# Altium PCB IMX6 DEV BOARD.PcbDoc (part 8 of 12)
Units mm, origin at the board's own origin, x right, y up, seen from the top; angles counter-clockwise.
Board outline 72.05 x 100.23 mm, 8 copper layers (Top Layer, GND 1, Inner 2, PWR 1, PWR 2, Inner 5, GND2, Bottom Layer), stack 1.463 mm thick; 691 components, 568 nets, 3028 pads, 1624 vias.
Unrouted connection lines stored in the file: 1.
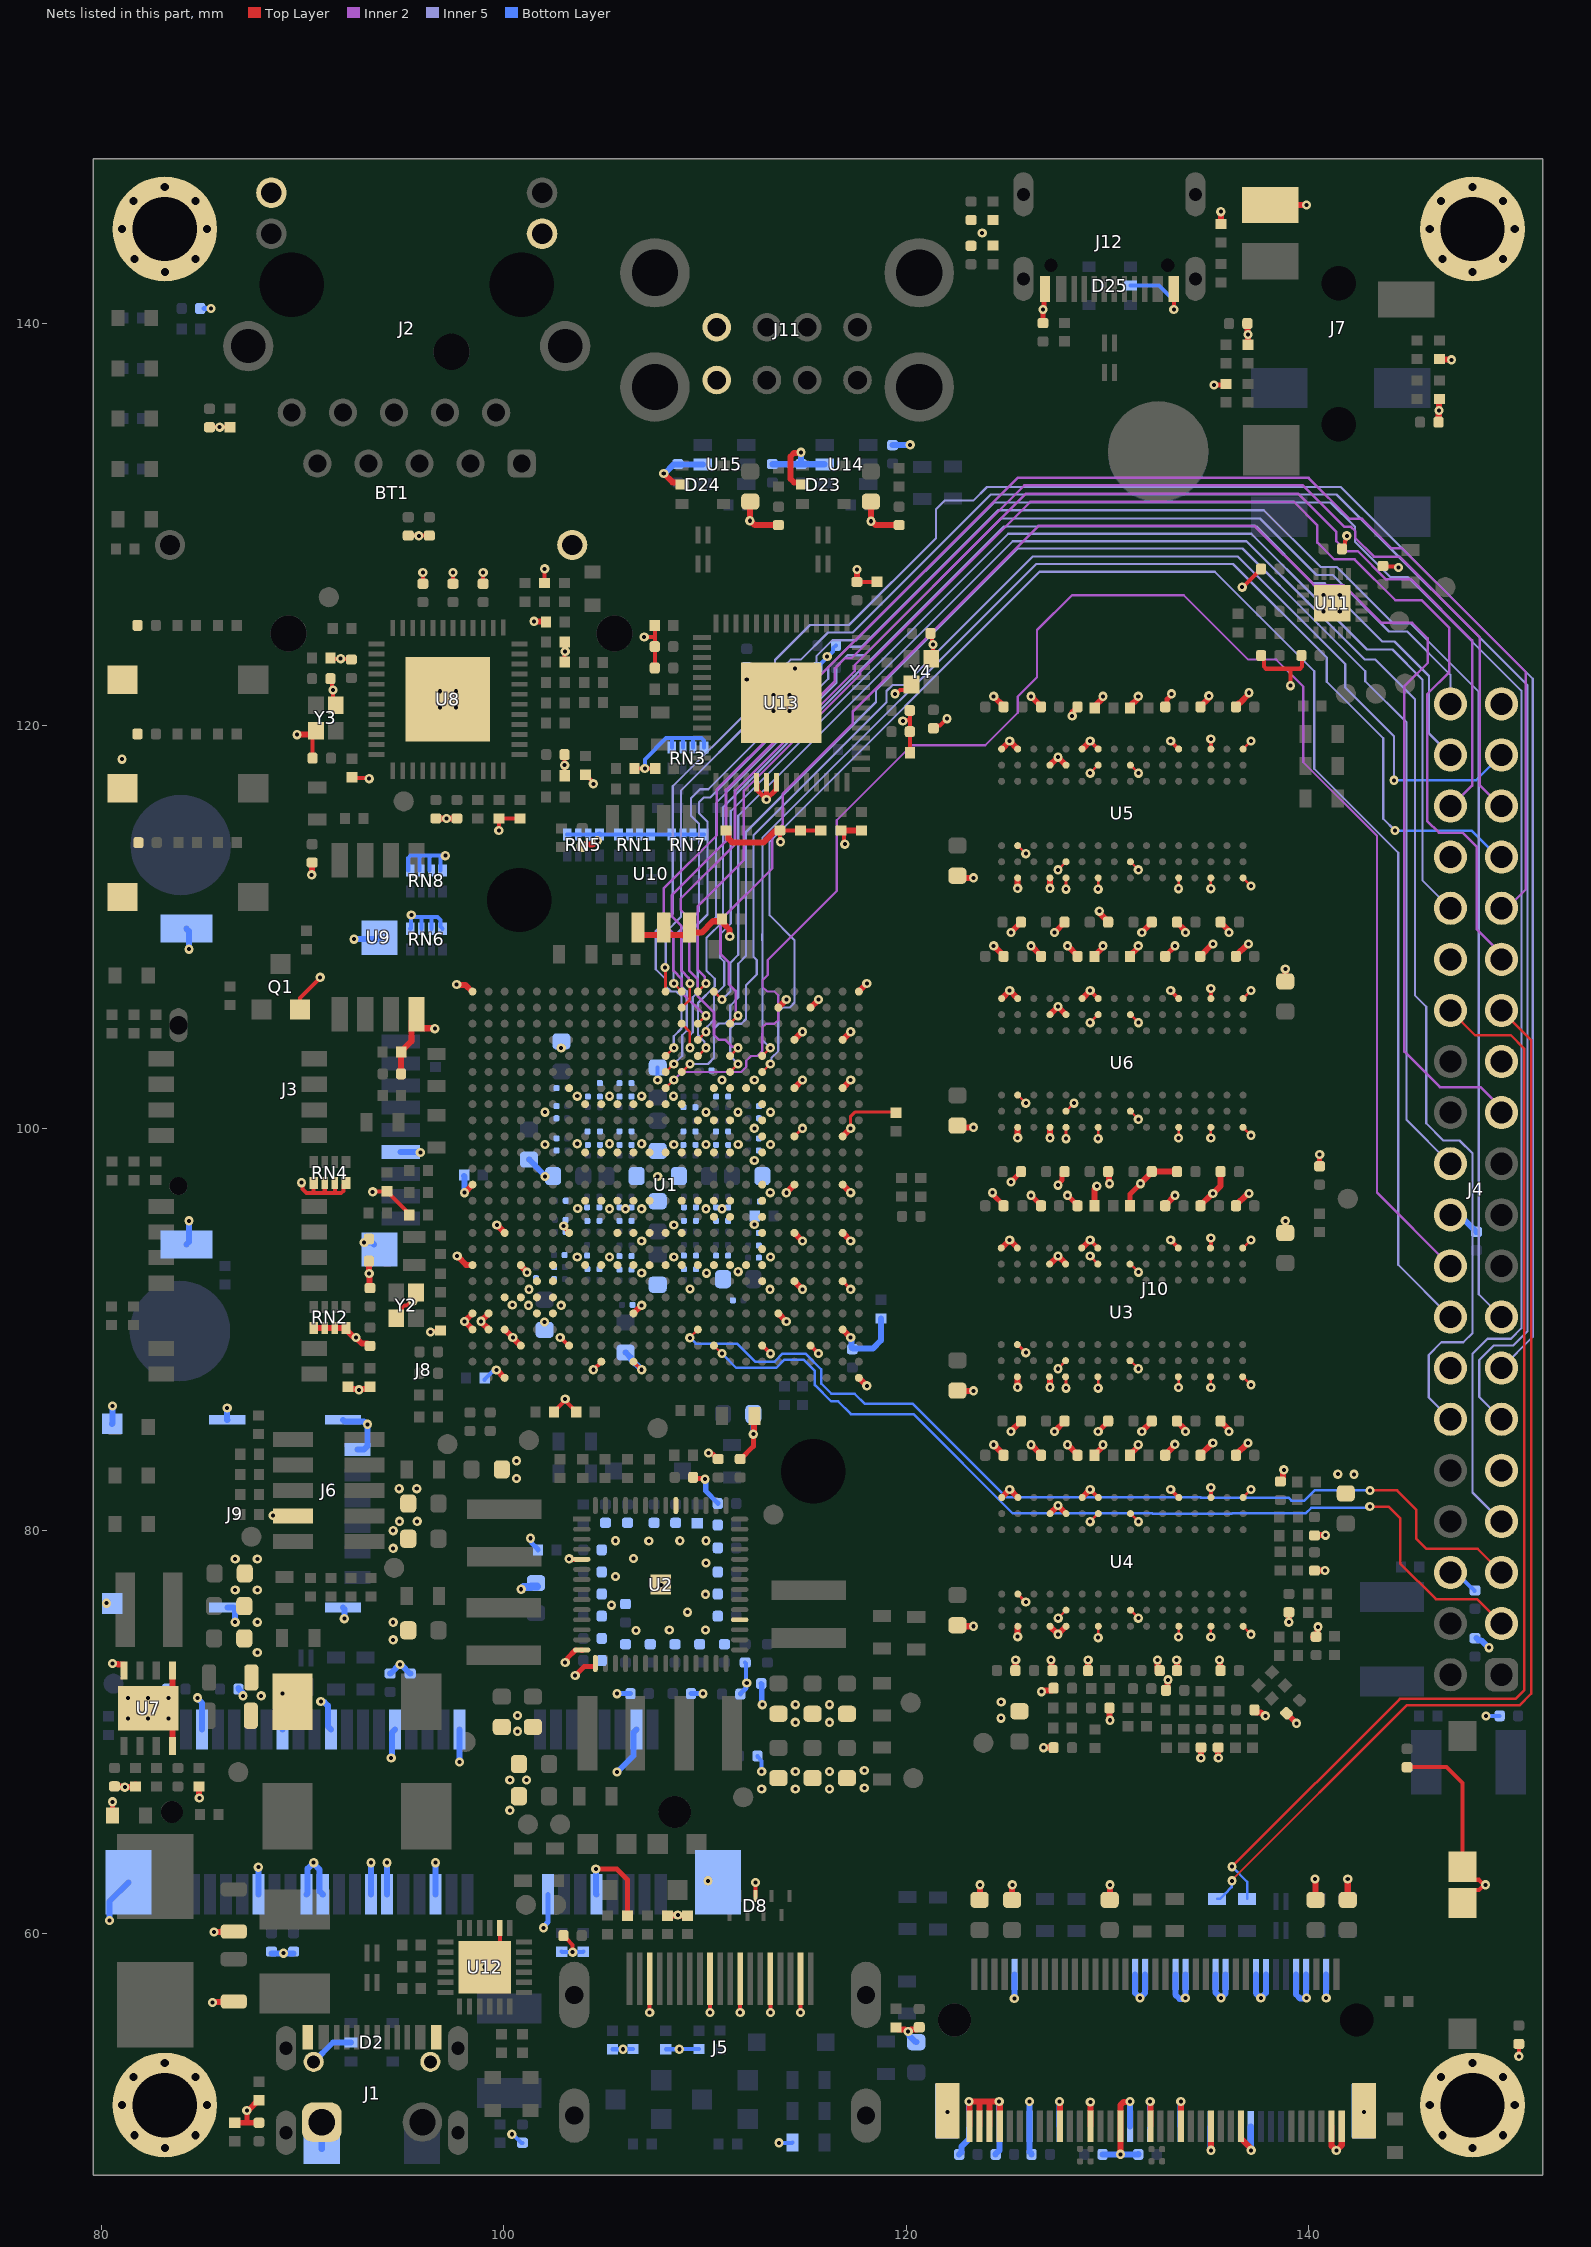
[diagram p14: the nets of this part, all layers, seen from the top]

## Via types
v1: diameter 0.46, hole 0.2, Top Layer to Bottom Layer, tented both sides, 1586 vias
v2: diameter 0.7, hole 0.4, Top Layer to Bottom Layer, 32 vias
v3: diameter 0.46, hole 0.2, Top Layer to Bottom Layer, tented bottom, 6 vias

## Nets (pads, with @x,y where several pads share a name; then routed paths per layer and width w, separated by ;. In a path a pad name is that pad's centre, name@x,y a point inside that pad or via, vN(x,y) a via of type N, cw(c..) or ccw(c..) an arc to the next point about the centre after c; other vN are vias at no path point) (continued)
GND: BT1.2 C1.2 C2.2 C3.2 C4.2 C5.2 C6.2 C7.2 C8.2 C9.2 C10.2 C11.2 C12.2 C13.2 C14.2 C15.2 C16.2 C17.2 C18.2 C19.2 C20.2 C21.2 C22.2 C23.2 C24.2 C25.2 C26.2 C27.2 C28.2 C29.2 C30.2 C31.2 C32.2 C33.2 C34.2 C35.2 C36.2 C37.2 C38.2 C39.2 C40.2 C41.2 C42.2 C43.2 C44.2 C45.2 C46.2 C47.2 C48.2 C49.2 C50.2 C51.2 C52.2 C53.2 C54.2 C55.2 C56.2 C57.2 C58.2 C59.2 C60.2 C61.2 C62.2 C63.2 C64.2 C65.2 C66.2 C67.2 C68.2 C69.2 C70.2 C71.2 C72.2 C73.2 C74.2 C75.2 C76.2 C77.2 C78.2 C79.2 C80.2 C81.2 C82.2 C83.2 C84.2 C85.2 C86.2 C87.2 C88.2 C89.2 C90.2 C91.2 C92.2 C93.2 C94.2 C95.2 C96.2 C97.2 C98.2 C99.2 C100.2 C101.2 C102.2 C103.2 C104.2 C105.2 C106.2 C107.2 C108.2 C109.2 C110.2 C111.2 C112.2 C113.2 C114.2 C115.2 C116.2 C117.2 C118.2 C119.2 C120.2 C121.2 C122.2 C123.2 C124.2 C125.2 C126.2 C127.2 C128.2 C129.2 C130.2 C131.2 C132.2 C133.2 C134.2 C135.2 C136.2 C137.2 C138.2 C139.2 C140.2 C141.2 C142.2 C143.2 C144.2 C145.2 C146.2 C147.2 C148.2 C150.2 C151.2 C152.2 C153.2 C154.2 C155.2 C156.2 C157.2 C158.2 C159.2 C160.2 C161.2 C162.2 C163.2 C164.2 C165.2 C166.2 C167.2 C168.2 C169.2 C170.2 C171.2 C172.2 C173.2 C174.2 C175.2 C177.2 C178.2 C179.2 C181.2 C182.2 C183.2 C184.2 C185.2 C186.2 C187.2 C188.2 C189.2 C190.2 C191.2 C192.2 C193.2 C194.2 C195.2 C196.2 C197.2 C198.2 C199.2 C200.2 C201.2 C202.2 C203.2 C204.2 C205.2 C206.2 C207.2 C208.2 C212.1 C213.2 C214.2 C215.2 C216.1 C217.1 C218.1 C223.2 C225.2 C226.2 C227.2 C228.2 C229.2 C230.2 C231.2 C236.2 C237.2 C238.2 C239.2 C240.2 C241.2 C242.2 C243.2 C244.2 C245.2 C246.2 C247.2 C248.2 C249.2 C250.2 C251.2 C252.2 C253.2 C254.2 C255.2 C256.2 C257.2 C258.2 C259.2 C260.2 C261.2 C262.2 C263.2 C264.2 C265.2 C266.2 C267.2 C268.2 C269.2 C270.2 C271.2 C272.2 C273.2 C274.2 C276.2 C277.2 C278.2 C279.2 C280.2 C281.2 C282.2 C283.2 C284.2 C285.2 C286.2 C287.2 C288.2 C289.2 C290.2 C291.2 C292.2 C293.2 C294.2 C295.2 C296.2 C297.2 C298.2 C299.2 C300.2 C301.2 C302.2 C303.2 C304.2 C305.2 C307.2 C308.2 C309.2 C310.2 C311.2 C312.2 C313.2 C314.2 C315.2 D2.2 D3.2 D4.1 D8.3 D9.2 D10.2 D11.2 D12.2 D13.2 D14.2 D15.2 D16.2 D23.2 D24.2 D25.2 HT1.1 J1.1 J1.12 J2.11 J2.14 J3.6 J3.10 J3.11 J3.12 J3.13 J4.6 J4.9 J4.14 J4.20 J4.25 J4.30 J4.34 J4.39 J5.2 J5.5 J5.8 J5.11 J5.17 J6.4 J7.1 J8.4 J8.9 J8.15 J8.18 J8.21 J8.26 J8.27 J8.29 J8.34 J8.35 J8.37 J8.40 J8.43 J8.50 J8.SH1 J8.SH2 J9.C5 J9.Shield J10.1 J10.1A J10.3 J10.7A J10.10A J10.13A J10.19A J10.21 J10.27 J10.33 J10.33A J10.34A J10.36A J10.37A J10.39 J10.42A J10.43A J10.44A J10.45 J10.49A J10.50A J10.51 J10.52A J10.57 J10.57A J10.58A J10.60A J10.66A J10.68A J10.69 J10.71 J10.72A J10.73 J10.75 J10.S1 J10.S2 J10.SHIELDA J11.A4 J11.B4 J12.1 J12.12 MT1.0 MT2.0 MT3.0 MT4.0 PB1.1 PB2.1 PB3.2 PB4.2 PB5.2 Q1.S R6.1 R9.1 R14.1 R27.1 R28.1 R29.1 R30.1 R31.1 R32.1 R33.1 R34.1 R35.1 R36.1 R37.1 R71.1 R72.1 R74.1 R83.1 R84.1 R88.1 R89.1 R90.1 R92.1 R93.1 R94.1 R95.1 R96.1 R97.1 R101.1 R102.1 R107.1 R114.1 R116.1 R117.1 R118.1 R119.1 R126.1 R131.1 R132.1 R133.1 R134.1 R137.1 R142.1 R147.1 R149.1 R151.1 R152.1 R153.1 R154.1 R157.1 R159.1 R160.1 R161.1 R162.1 R163.1 R191.1 R192.1 R193.1 R194.1 RN1.5 RN1.6 RN1.7 RN1.8 RN2.1 RN2.2 RN2.3 RN2.4 RN3.5 RN3.6 RN3.7 RN3.8 RN4.1 RN4.2 RN4.3 RN4.4 RN5.5 RN5.6 RN5.7 RN5.8 RN6.5 RN6.6 RN6.7 RN6.8 RN7.5 RN7.6 RN7.7 RN7.8 RN8.5 RN8.6 RN8.7 RN8.8 U1.A4 U1.A5 U1.A8 U1.A13 U1.A25 U1.AA7 U1.AA10 U1.AA13 U1.AA16 U1.AA19 U1.AA22 U1.AB3 U1.AB24 U1.AD4 U1.AD7 U1.AD10 U1.AD13 U1.AD16 U1.AD19 U1.AD22 U1.AE1 U1.AE25 U1.B4 U1.B5 U1.C1 U1.C4 U1.C6 U1.C10 U1.D3 U1.D6 U1.D8 U1.E5 U1.E6 U1.E7 U1.F5 U1.F6 U1.F7 U1.F8 U1.G3 U1.G10 U1.G19 U1.H8 U1.H12 U1.H15 U1.H18 U1.J2 U1.J8 U1.J12 U1.J15 U1.J18 U1.K8 U1.K10 U1.K12 U1.K15 U1.K18 U1.L2 U1.L5 U1.L8 U1.L10 U1.L12 U1.L15 U1.L18 U1.M8 U1.M10 U1.M12 U1.M15 U1.M18 U1.N8 U1.N10 U1.N15 U1.N18 U1.P8 U1.P10 U1.P12 U1.P15 U1.P18 U1.R8 U1.R12 U1.R15 U1.R17 U1.T8 U1.T11 U1.T12 U1.T15 U1.T17 U1.T19 U1.U8 U1.U11 U1.U12 U1.U15 U1.U17 U1.U19 U1.V8 U1.V19 U1.W3 U1.W7 U1.W8 U1.W9 U1.W10 U1.W11 U1.W12 U1.W13 U1.W15 U1.W16 U1.W17 U1.W18 U1.W19 U1.Y5 U1.Y24 U2.5 U2.14 U2.15 U2.32 U2.48 U2.57 U3.A9 U3.B1 U3.B3 U3.B9 U3.D1 U3.D8 U3.E1 U3.E2 U3.E8 U3.F9 U3.G1 U3.G8 U3.G9 U3.J2 U3.J8 U3.M1 U3.M9 U3.P1 U3.P9 U3.T1 U3.T9 U4.A9 U4.B1 U4.B3 U4.B9 U4.D1 U4.D8 U4.E1 U4.E2 U4.E8 U4.F9 U4.G1 U4.G8 U4.G9 U4.J2 U4.J8 U4.M1 U4.M9 U4.P1 U4.P9 U4.T1 U4.T9 U5.A9 U5.B1 U5.B3 U5.B9 U5.D1 U5.D8 U5.E1 U5.E2 U5.E8 U5.F9 U5.G1 U5.G8 U5.G9 U5.J2 U5.J8 U5.M1 U5.M9 U5.P1 U5.P9 U5.T1 U5.T9 U6.A9 U6.B1 U6.B3 U6.B9 U6.D1 U6.D8 U6.E1 U6.E2 U6.E8 U6.F9 U6.G1 U6.G8 U6.G9 U6.J2 U6.J8 U6.M1 U6.M9 U6.P1 U6.P9 U6.T1 U6.T9 U7.4 U7.5 U7.8 U7.9 U8.49 U9.4 U10.2 U10.3 U10.4 U11.21 U12.2 U12.25 U13.33 U13.34 U13.35 U13.57 U14.2 U15.2 Y2.2 Y2.4 Y3.2 Y3.4 Y4.2 Y4.4 | length 434
  Top Layer w0.125: v1(104.45,88) v1@104.45,88.003 ; U1.J2@104.844,88.397 U1.J2@104.844,88.4 ; U1.L2@106.444,88.397 U1.L2@106.444,88.4 ; U6.B3@125.544,101.65 v1(125.944,101.25) ; U5.B3@125.544,114.05 v1(125.944,113.65) ; v1(127.544,88.05) U3.E2@127.944,88.45 ; v1(127.544,112.85) U5.E2@127.944,113.25 ; v1(127.556,75.65) U4.E2@127.956,76.05 ; v1(127.944,87.084) U3.E1@127.944,87.65 ; v1(127.944,99.484) U6.E1@127.944,100.05 ; U6.E2@127.944,100.85 v1(128.344,101.25) ; v1(127.944,111.884) U5.E1@127.944,112.45 ; v1(129.144,80.45) U4.G8@129.544,80.85 ; v1(129.144,93.65) U3.G8@129.544,93.25 ; v1(129.144,105.25) U6.G8@129.544,105.65 ; v1(129.144,117.65) U5.G8@129.544,118.05 ; v1(129.544,74.684) U4.G1@129.544,75.25 ; v1(129.544,87.084) U3.G1@129.544,87.65 ; v1(129.544,99.484) U6.G1@129.544,100.05 ; v1(129.544,111.884) U5.G1@129.544,112.45 ; U4.J2@131.144,76.05 131.144,76.048 131.541,75.652 v1(131.541,75.65) ; U4.J8@131.144,80.85 v1(131.544,80.45) ; U3.J2@131.144,88.45 131.144,88.448 131.541,88.052 v1(131.541,88.05) ; U3.J8@131.144,93.25 v1(131.544,92.85) ; U6.J2@131.144,100.85 131.144,100.848 131.541,100.452 v1(131.541,100.45) ; U6.J8@131.144,105.65 v1(131.544,105.25) ; U5.J2@131.144,113.25 131.144,113.248 131.541,112.852 v1(131.541,112.85) ; U5.J8@131.144,118.05 v1(131.544,117.65) ; v1(133.536,74.714) 133.54,74.718 133.54,75.246 U4.M1@133.543,75.249 ; v1(133.536,87.114) 133.54,87.118 133.54,87.646 U3.M1@133.543,87.649 ; v1(133.536,99.514) 133.54,99.518 U6.M1@133.54,100.046 ; v1(133.536,111.914) 133.54,111.918 133.54,112.446 U5.M1@133.543,112.449 ; v1(135.14,74.714) 135.143,74.717 135.143,75.249 U4.P1@135.145,75.251 ; v1(135.14,87.114) 135.143,87.117 135.143,87.649 U3.P1@135.145,87.651 ; v1(135.14,99.514) 135.143,99.517 U6.P1@135.143,100.049 ; v1(135.14,111.914) 135.143,111.917 135.143,112.449 U5.P1@135.145,112.451 ; U4.T1@136.744,75.25 v1(137.144,74.85) ; U4.T9@136.744,81.65 v1(137.144,82.05) ; U3.T1@136.744,87.65 v1(137.144,87.25) ; U3.T9@136.744,94.05 v1(137.144,94.45) ; U6.T1@136.744,100.05 v1(137.144,99.65) ; U6.T9@136.744,106.45 v1(137.144,106.85) ; U5.T1@136.744,112.45 v1(137.144,112.05) ; U5.T9@136.744,118.85 v1(137.144,119.25)
  Top Layer w0.15: U1.AA16@114.444,99.6 v1(114.844,100) ; U1.AD7@116.844,92.4 v1(117.244,92) ; v1(117.244,100) 117.244,100.6 117.444,100.8 119.466,100.8 R35.1@119.488,100.778 ; U4.B3@125.544,76.85 v1(125.944,76.45) ; U3.B3@125.544,89.25 v1(125.944,88.85) ; U6.M1@133.54,100.046 U6.M1@133.543,100.049 ; U6.P1@135.143,100.049 U6.P1@135.145,100.051
  Top Layer w0.2: C189.2@85.375,134.85 v1(85.875,134.85) R83.1@86.4,134.85 ; Q1.S@89.875,105.9 89.875,106.475 90.874,107.474 v1(90.874,107.505) ; v1(89.95,97.3) 89.989,97.261 89.989,96.989 90.204,96.774 90.55,96.774 ; C190.2@90.493,118.4 90.493,119.567 90.493,119.593 Y3.4@90.663,119.763 Y3.4@90.663,119.567 ; RN4.1@90.55,97.28 90.55,96.774 ; RN4.2@91.1,97.28 91.1,96.774 ; C191.2@91.382,122.35 91.456,122.276 91.456,121.832 v1(91.506,121.782) 91.506,121.169 Y3.2@91.638,121.038 ; R94.1@91.388,123.375 91.426,123.337 92.387,123.337 C196.2@92.425,123.3 ; RN4.3@91.6,97.28 91.6,96.774 ; RN4.4@92.15,97.28 92.03,97.16 92.03,96.886 91.918,96.774 91.6,96.774 ; R88.1@92.45,117.45 92.484,117.416 93.272,117.416 v1(93.306,117.382) ; v1(93.48,96.843) 93.497,96.859 94.016,96.859 94.108,96.767 94.32,96.767 94.366,96.721 94.366,96.695 95.146,95.915 95.146,95.854 R193.1@95.3,95.7 ; Y2.2@94.663,90.562 94.95,90.85 94.95,91.083 95.067,91.2 95.191,91.2 95.399,91.408 v1(95.469,91.408) ; C188.2@95.25,129.461 95.255,129.455 95.77,129.455 v1(95.775,129.45) 95.78,129.455 96.295,129.455 C187.2@96.3,129.461 ; C197.2@95.975,127.069 v1(95.975,127.625) ; v1(96.35,89.88) 96.385,89.915 96.815,89.915 R14.1@96.85,89.95 ; C192.2@97.475,127.069 v1(97.475,127.625) ; C198.2@98.975,127.069 v1(98.975,127.625) ; v1(99.05,58.325) 99.8,59.075 U12.2@99.8,60.25 ; v1(99.75,114.8) 99.754,114.804 99.754,115.396 R92.1@99.757,115.4 R90.1@100.8,115.4 ; R95.1@102.025,127.1 102.028,127.103 102.028,127.809 v1(102.032,127.812) ; R126.1@102.5,85.9 102.5,85.921 103,86.421 103,86.5 v1(103.05,86.55) 103.1,86.5 103.1,86.421 103.6,85.921 R116.1@103.6,85.9 ; v1(102.8,89.6) 102.822,89.6 103.225,89.197 U1.G3@103.244,89.197 ; C207.2@102.961,59.875 102.961,59.869 103.129,59.7 103.136,59.7 103.425,59.411 v1(103.425,59.05) ; v1(102.973,95.144) 102.973,95.107 103.244,94.837 U1.G10@103.244,94.8 ; C193.2@103.019,118.575 103.022,118.572 103.022,118.053 v1(103.025,118.05) R93.1@103.025,117.525 ; R97.1@103.025,123.171 R96.1@103.025,124.178 ; BT1.2@103.3,129 BT1.2@103.4,129 ; R89.1@104.05,117.575 104.071,117.575 104.4,117.246 104.4,117.175 v1(104.45,117.125) ; v1@104.45,88.003 U1.J2@104.844,88.397 ; U1.L2@106.444,88.397 106.45,88.397 106.847,88 v1(106.85,88) ; R101.1@106.5,117.875 106.506,117.881 107.006,117.881 v1(107.011,117.886) ; v1(106.975,124.425) 107.453,124.425 107.503,124.475 ; v1@107.023,117.875 107.028,117.881 107.519,117.881 R161.1@107.525,117.875 ; v1(107.25,56.05) J5.17@107.25,57.725 ; R162.1@107.5,125 107.503,124.997 107.503,124.475 ; C254.2@107.506,122.882 107.503,122.885 107.503,124.475 ; v1(110.25,56.05) J5.11@110.25,57.725 ; v1(111.75,56.05) J5.8@111.75,57.725 ; D8.3@112.508,61.839 v1(112.508,62.514) ; U1.W3@112.844,89.2 112.847,89.2 113.247,88.8 v1(113.25,88.8) ; v1(113.25,56.05) J5.5@113.25,57.725 ; C250.2@113.725,114.806 C250.2@113.728,114.803 ; v1(113.75,114.243) 113.738,114.256 113.738,114.793 C250.2@113.728,114.803 ; v1(114.75,56.05) J5.2@114.75,57.725 ; U1.AB3@115.25,89.193 v1@115.636,88.808 ; R152.1@115.752,114.8 115.749,114.803 C250.2@113.728,114.803 ; R153.1@116.764,114.8 116.9,114.663 116.9,114.175 v1(116.95,114.125) ; C251.2@117.55,127.157 117.553,127.16 118.547,127.16 R159.1@118.55,127.163 ; v1(119.448,121.595) 119.519,121.595 119.7,121.776 119.976,121.776 Y4.2@120.263,122.062 ; v1(119.832,120.242) 119.882,120.292 120.173,120.292 120.181,120.3 ; C258.2@120.181,120.776 120.181,120.3 ; R163.1@120.186,118.669 120.183,118.672 120.183,119.712 C253.2@120.181,119.714 120.181,120.3 ; C262.2@121.207,124.6 121.281,124.526 121.281,124.104 v1(121.331,124.055) 121.331,123.431 Y4.4@121.237,123.337 ; C261.2@121.35,119.886 121.486,120.022 121.69,120.022 v1(122.03,120.362) ; v1(129.144,82.05) U4.G9@129.544,81.65 ; v1(133.149,82.05) 133.149,82.047 133.544,81.653 U4.M9@133.544,81.65 ; v1(133.149,94.45) 133.149,94.447 133.544,94.053 U3.M9@133.544,94.05 ; v1(133.149,106.85) 133.149,106.847 133.544,106.453 U6.M9@133.544,106.45 ; v1(133.149,119.25) 133.149,119.247 133.544,118.853 U5.M9@133.544,118.85 ; v1(133.3,140.7) J12.1@133.3,141.725 ; U4.P9@135.144,81.65 v1(135.144,82.15) ; U3.P9@135.144,94.05 v1(135.144,94.55) ; U6.P9@135.144,106.45 v1(135.144,106.95) ; U5.P9@135.144,118.85 v1(135.144,119.35) ; v1(136.7,126.9) 136.749,126.9 137.643,127.794 C215.2@137.643,127.8 C215.2@137.677,127.766 ; C212.1@137.643,123.5 137.775,123.368 137.775,122.96 137.892,122.843 139.1,122.843 139.566,122.843 139.683,122.96 139.683,123.46 C217.1@139.643,123.5 ; v1(139.099,122) 139.099,122.842 ; C218.1@141.657,128.7 141.795,128.837 141.795,128.987 141.8,128.992 141.8,129.203 141.85,129.253 141.85,129.4 v1(141.9,129.45) ; C216.1@143.7,127.957 143.741,127.916 144.434,127.916 v1(144.475,127.875) ; C11.2@144.9,68.243 146.857,68.243 147.65,67.45 PB2.1@147.65,63.3 ; PB2.1@147.6,63.25 148.2,62.65 148.48,62.65 v1@148.73,62.4 ; PB1.1@147.65,61.5 147.65,61.55 148.25,62.15 148.48,62.15 v1@148.73,62.4 ; v1(148.8,62.4) v1@148.73,62.4 ; v1(150.45,53.875) C7.2@150.45,54.493 ; 90.55,96.774 91.1,96.774 ; 91.1,96.774 91.6,96.774 ; v1(129.144,94.45) 129.544,94.05 v1(129.144,94.45) ; v1(129.144,106.85) U6.G9@129.544,106.45 v1(129.144,106.85) ; v1(129.144,119.25) U5.G9@129.544,118.85 v1(129.144,119.25)
  Top Layer w0.25: D4.1@80.55,65.85 v1(80.55,66.525) ; R74.1@86.625,50.575 86.628,50.572 87.225,50.572 ; v1(87.225,51.175) 87.225,51.083 87.23,51.078 87.23,50.577 87.225,50.572 ; C186.2@87.825,50.569 87.822,50.572 87.225,50.572 ; v1(103.05,73.45) 103.05,73.507 103.155,73.612 103.155,73.655 103.565,74.065 103.565,74.067 U2.14@103.569,74.071 ; v1(103.25,78.6) 103.271,78.579 103.871,78.579 U2.5@103.874,78.575 ; v1(103.55,72.8) 103.989,73.239 U2.15@104.546,73.239 ; U2.14@103.85,74.05 103.899,74.05 U2.14@103.874,74.075 ; U2.15@104.55,73.399 U2.15@104.55,73.55 ; v1(104.575,63.182) 105.618,63.182 106.147,62.653 D9.2@106.147,60.864 ; C3.2@109.407,82.65 109.454,82.603 109.958,82.603 v1(109.998,82.563) ; v1(110.177,83.864) 110.217,83.824 110.369,83.824 110.628,83.564 C314.2@110.65,83.564 ; C315.2@111.75,83.564 111.772,83.564 112.4,84.192 v1(112.4,84.8) ; U13.33@112.55,117.2 112.575,117.175 112.575,116.825 v1(113.05,116.35) ; U13.34@113.05,117.2 v1(113.05,116.35) ; U13.35@113.55,117.2 113.525,117.175 113.525,116.825 v1(113.05,116.35) ; v1(124.294,96.8) 124.332,96.762 124.332,96.683 124.844,96.171 C157.2@124.844,96.15 ; v1(125.207,97.328) 125.207,97.333 125.701,97.828 C145.2@125.701,97.85 ; v1(126.207,96.672) 126.207,96.667 126.701,96.172 C156.2@126.701,96.15 ; C256.2@126.8,140.025 v1(126.8,140.7) 126.84,140.74 126.84,141.715 J12.12@126.9,141.775 ; v1(127.548,97.173) 127.548,97.227 127.742,97.421 127.742,97.722 C144.2@127.87,97.85 ; v1(128.021,96.672) 128.021,96.667 128.515,96.172 C158.2@128.515,96.15 ; v1(129.544,84.928) 129.544,84.933 130.038,85.428 C106.2@130.038,85.45 ; R27.1@131.123,96.15 131.123,96.723 v1(131.65,97.25) ; C112.2@132.872,108.55 132.872,108.572 133.367,109.067 v1(133.367,109.072) ; C111.2@132.872,120.95 132.973,121.051 132.973,121.334 133.183,121.544 v1(133.183,121.598) ; v1(135.3,136.95) 135.304,136.954 135.896,136.954 D14.2@135.9,136.957 ; C313.2@140.55,98.114 v1(140.55,98.7)
  Top Layer w0.3: v1(80.55,73.4) 80.581,73.369 80.811,73.369 80.825,73.355 81.1,73.355 81.125,73.33 U7.8@81.125,73.055 ; C185.2@80.659,67.384 80.771,67.272 81.144,67.272 v1(81.165,67.251) 81.18,67.267 81.588,67.267 R71.1@81.7,67.379 ; v3(83.325,70.675) 83.525,70.475 U7.4@83.525,69.295 ; v3(83.325,71.675) 83.525,71.875 U7.5@83.525,73.055 ; R72.1@84.85,67.282 84.858,67.274 84.858,66.724 v1(84.867,66.716) ; v1(85.525,56.55) 85.55,56.575 86.55,56.575 C181.2@86.575,56.6 ; v1(85.6,60.05) 85.613,60.063 86.563,60.063 C182.2@86.575,60.075 ; v1(87.225,51.175) 87.256,51.206 87.317,51.206 87.804,51.693 D3.2@87.825,51.693 ; v1(89.725,119.567) 90.493,119.567 90.529,119.567 Y3.4@90.537,119.575 ; v1(90.45,112.6) 90.463,112.613 90.463,113.198 C199.2@90.475,113.211 ; RN2.1@90.55,90.08 RN2.3@91.6,90.08 RN2.4@92.15,90.08 ; RN2.4@92.07,90.08 92.519,89.631 92.619,89.631 v1(92.65,89.6) 92.945,89.305 93.231,89.305 C6.2@93.35,89.186 ; R191.1@92.25,87.15 92.354,87.046 92.711,87.046 92.757,87 v1(92.8,87) 92.843,87 92.889,87.046 93.246,87.046 R192.1@93.35,87.15 ; v1(93.061,94.329) 93.104,94.329 93.15,94.375 93.189,94.375 93.293,94.479 C1.2@93.293,94.5 ; C4.2@93.293,93.4 93.299,93.394 93.299,92.788 v1(93.306,92.782) 93.328,92.76 93.328,92.079 C5.2@93.35,92.057 ; C201.2@94.894,102.71 94.897,102.713 94.897,103.797 R102.1@94.9,103.8 94.9,103.821 95.405,104.326 95.405,105.3 U9.4@95.555,105.45 ; U9.4@95.655,105.55 95.655,105.218 95.898,104.975 96.554,104.975 v1(96.573,104.955) ; C195.2@96.625,115.406 96.628,115.403 97.147,115.403 v1(97.15,115.4) 97.153,115.403 97.665,115.403 C194.2@97.668,115.406 ; v1(97.658,107.143) 97.689,107.113 98.104,107.113 98.417,106.8 U1.A25@98.444,106.8 ; v1(97.683,93.657) 98.132,93.208 98.436,93.208 U1.A8@98.444,93.2 ; v1(98.05,96.8) 98.05,96.803 98.444,97.197 U1.A13@98.444,97.2 ; U1.A4@98.444,90 98.444,90.003 98.05,90.397 v1(98.05,90.4) 98.05,90.403 98.444,90.797 U1.A5@98.444,90.8 ; U1.B4@99.244,89.993 U1.B4@99.244,90 99.244,90.011 98.86,90.395 v1(98.86,90.406) 98.86,90.411 99.244,90.795 U1.B5@99.244,90.8 ; v1(99.629,87.99) 99.642,87.99 100.031,87.6 U1.C1@100.044,87.6 ; v1(99.65,95.2) 99.65,95.197 100.044,94.803 U1.C10@100.044,94.8 ; U1.C4@100.044,90 U1.D3@100.844,89.2 ; U1.D8@100.844,93.2 100.844,93.174 101.148,92.87 v1(101.148,92.844) ; v1(101.5,125.2) 101.513,125.187 102.086,125.187 R84.1@102.099,125.175 ; C200.2@103.9,114 104.004,114.104 104.411,114.104 104.607,114.3 v1(104.65,114.3) ; U1.L5@106.444,90.8 106.447,90.8 106.847,91.2 v1(106.85,91.2) ; U10.2@106.68,109.975 106.68,109.775 106.855,109.6 107.775,109.6 U10.3@107.95,109.775 ; U10.3@107.95,109.975 U10.3@107.95,109.775 ; v1(107.95,132.55) 108.396,132.104 108.746,132.104 D24.2@108.85,132 ; D10.2@108.132,60.864 108.15,60.882 108.632,60.882 v1(108.65,60.9) 108.668,60.882 109.107,60.882 D11.2@109.125,60.864 ; U10.4@109.22,109.975 109.22,109.775 109.045,109.6 108.125,109.6 U10.3@107.95,109.775 ; U10.4@109.339,109.975 109.339,109.787 109.395,109.731 109.831,109.731 110.392,110.292 110.746,110.292 110.852,110.398 110.954,110.296 110.954,110.146 111.219,109.881 111.219,109.542 v1(111.231,109.531) ; R160.1@111.05,114.8 111.071,114.8 111.175,114.696 111.175,114.39 111.351,114.214 112.914,114.214 113.473,114.773 113.692,114.773 C250.2@113.725,114.806 ; v1(112.225,130.2) 112.237,130.213 112.237,131.137 C247.2@112.25,131.15 ; v1@112.263,130.238 112.263,130.206 112.483,129.986 C246.2@113.65,129.986 ; v1(112.4,84.8) 112.425,84.825 112.425,85.675 R107.1@112.45,85.7 ; U1.Y5@113.644,90.8 v1(114.044,90.4) ; U1.Y24@113.644,106 v1(114.044,106.4) ; v1(114.041,96.798) U1.AA13@114.444,97.2 ; U1.AA7@114.444,92.4 v1(114.844,92) ; U1.AA10@114.444,94.8 v1(114.844,94.4) ; U1.AA19@114.444,102 v1(114.844,102.4) ; U1.AA22@114.444,104.4 v1(114.844,104.8) ; v1(114.775,133.6) 114.744,133.569 114.426,133.569 114.25,133.394 114.25,132.28 114.426,132.104 114.746,132.104 D23.2@114.85,132 ; U1.AB24@115.244,106 v1(115.644,106.4) ; R153.1@116.764,114.8 R154.1@117.775,114.8 ; U1.AD4@116.844,90 v1(117.244,89.6) ; U1.AD10@116.844,94.8 v1(117.244,94.4) ; U1.AD13@116.844,97.2 v1(117.244,96.8) ; U1.AD16@116.844,99.6 v1(117.244,100) ; U1.AD19@116.844,102 v1(117.244,102.4) ; U1.AD22@116.844,104.4 v1(117.244,104.8) ; C251.2@117.55,127.157 v1(117.55,127.775) ; U1.AE1@117.644,87.6 v1(118.044,87.2) ; U1.AE25@117.644,106.8 v1(118.044,107.2) ; C243.2@118.25,131.15 v1(118.25,130.175) 118.293,130.175 118.483,129.986 C242.2@119.65,129.986 ; R118.1@119.503,55.315 R118.1@119.5,55.312 119.604,55.208 119.95,55.208 120.054,55.103 v1(120.098,55.103) 120.141,55.103 120.252,55.214 120.546,55.214 C206.2@120.65,55.318 ; C122.2@122.544,75.25 v1(123.344,75.25) ; C121.2@122.544,86.95 v1(123.344,86.95) ; C126.2@122.544,100.05 v1(123.344,100.05) ; C123.2@122.544,112.45 v1(123.344,112.45) ; J10.75@123.15,50.4 123.15,51.113 123.149,51.114 123.149,51.601 v1(123.125,51.625) 123.675,51.625 ; J10.73@123.65,50.4 123.65,51.6 123.675,51.625 ; C238.2@123.65,61.65 123.662,61.663 123.662,62.387 v1(123.675,62.4) ; J10.71@124.15,50.4 124.15,51.6 124.125,51.625 ; v1(124.349,84.272) 124.349,84.266 124.844,83.771 C137.2@124.844,83.75 ; v1(124.349,109.072) 124.349,109.066 124.844,108.571 C141.2@124.844,108.55 ; v1(124.349,121.472) 124.349,121.466 124.844,120.971 C168.2@124.844,120.95 ; J10.69@124.65,50.4 124.65,51.6 v1(124.625,51.625) 124.125,51.625 ; U4.A9@124.744,81.65 v1(125.144,82.05) U4.B9@125.544,81.65 ; U3.A9@124.744,94.05 v1(125.144,94.45) U3.B9@125.544,94.05 ; U6.A9@124.744,106.45 v1(125.144,106.85) U6.B9@125.544,106.45 ; U5.A9@124.744,118.85 v1(125.144,119.25) U5.B9@125.544,118.85 ; v1(125.207,84.928) 125.207,84.934 125.701,85.429 C162.2@125.701,85.45 ; v1(125.207,109.728) 125.207,109.734 125.701,110.229 C170.2@125.701,110.25 ; C237.2@125.267,61.65 125.271,61.654 125.271,62.396 v1(125.275,62.4) ; C132.2@125.426,73.05 125.435,73.059 125.435,73.566 v1(125.444,73.575) ; v1(125.544,74.73) U4.B1@125.544,75.25 ; v1(126.207,84.272) 126.207,84.266 126.701,83.771 C138.2@126.701,83.75 ; v1(126.207,109.072) 126.207,109.066 126.701,108.571 C143.2@126.701,108.55 ; v1(126.207,121.472) 126.207,121.466 126.701,120.971 C175.2@126.701,120.95 ; v1(126.726,72.001) 126.77,72.001 126.819,72.05 127.223,72.05 127.327,72.153 C154.2@127.327,72.172 ; v1(126.82,69.213) C119.2@127.331,69.213 ; U4.D1@127.144,75.25 v1(127.544,74.85) U4.E1@127.944,75.25 ; U4.D8@127.144,80.85 v1(127.544,81.25) U4.E8@127.944,80.85 ; U3.D8@127.144,93.25 v1(127.544,93.65) ; U6.D8@127.144,105.65 v1(127.544,106.05) U6.E8@127.944,105.65 ; U5.D8@127.144,118.05 v1(127.544,118.45) U5.E8@127.944,118.05 ; v1(127.194,73.575) 127.223,73.546 127.223,73.097 C133.2@127.27,73.05 ; v1(127.375,84.928) 127.375,84.934 127.87,85.429 C161.2@127.87,85.45 ; v1(127.375,109.728) 127.375,109.734 127.87,110.229 C166.2@127.87,110.25 ; v1@127.557,93.65 127.944,93.264 U3.E8@127.944,93.25 ; v1(127.625,51.625) 127.65,51.6 J10.57@127.65,50.4 ; v1(128.021,84.272) 128.021,84.266 128.515,83.771 C136.2@128.515,83.75 ; v1(128.021,109.072) 128.021,109.066 128.515,108.571 C142.2@128.515,108.55 ; v1(128.251,120.497) 128.28,120.526 128.28,120.693 128.515,120.929 C173.2@128.515,120.95 ; U4.F9@128.744,81.65 v1(129.144,82.05) ; C108.2@129.041,73.047 129.044,73.05 129.044,73.569 v1(129.047,73.572) ; J10.51@129.15,50.4 v1(129.15,51.6) ; R30.1@129.358,83.75 129.358,83.771 129.749,84.162 129.749,84.244 v1(129.778,84.272) ; R37.1@129.358,108.55 129.358,108.571 129.749,108.962 129.749,109.044 v1(129.778,109.072) ; R36.1@129.358,120.95 129.358,120.971 129.749,121.362 129.749,121.444 v1(129.778,121.472) ; R29.1@129.365,96.15 129.365,96.975 129.475,97.084 v1(129.475,97.125) ; v1(129.597,110.791) 129.626,110.763 129.626,110.683 130.038,110.271 C110.2@130.038,110.25 ; C113.2@130.038,97.85 130.071,97.817 130.071,97.279 v1(130.1,97.25) v1@130.071,97.221 ; C236.2@130.117,61.65 130.121,61.654 130.121,62.396 v1(130.125,62.4) ; v1(130.128,70.578) 130.115,70.591 130.115,71.237 C150.2@130.135,71.258 ; v1(130.65,49) J10.45@130.65,50.4 130.65,51.449 130.795,51.594 131.094,51.594 v1(131.125,51.625) ; R28.1@131.115,83.75 131.115,83.771 131.506,84.162 131.506,84.244 v1(131.535,84.272) ; R34.1@131.115,108.55 131.115,108.571 131.506,108.962 131.506,109.044 v1(131.535,109.072) ; R33.1@131.115,120.95 131.115,120.971 131.506,121.362 131.506,121.444 v1(131.535,121.472) ; v1(131.65,97.25) 131.65,97.272 132.228,97.85 C148.2@133.461,97.85 ; v1(131.712,84.928) 131.712,84.934 132.207,85.429 C164.2@132.207,85.45 ; v1(131.712,109.728) 131.712,109.734 132.207,110.229 C167.2@132.207,110.25 ; v1(132.125,51.625) 132.15,51.6 J10.39@132.15,50.4 ; C130.2@132.498,73.059 v1@132.498,73.566 ; C130.2@132.601,73.052 132.601,73.031 C130.2@132.705,72.927 ; C107.2@132.872,83.75 132.872,83.771 133.355,84.254 v1(133.355,84.296) ; C105.2@132.888,96.187 133.367,96.666 v1(133.367,96.672) ; C153.2@132.912,72.1 132.98,72.168 132.98,72.561 v1(133.009,72.59) ; v1(133.444,73.575) 133.452,73.566 133.452,73.059 C129.2@133.461,73.05 ; C165.2@133.461,85.45 133.461,85.429 133.852,85.038 133.852,84.956 v1(133.881,84.928) ; C174.2@133.461,110.25 133.461,110.229 133.852,109.838 133.852,109.756 v1(133.881,109.728) ; J10.33@133.65,50.4 v1(133.65,51.625) ; C135.2@134.63,83.75 134.63,83.771 135.215,84.357 v1(135.243,84.357) ; C159.2@134.63,96.15 134.63,96.171 135.215,96.757 v1(135.243,96.757) 135.63,97.143 C146.2@135.63,97.85 ; C172.2@134.63,120.95 134.63,120.971 v1@135.021,121.362 ; C139.2@134.639,108.58 135.219,109.16 v1(135.246,109.16) ; v1(134.642,68.707) 134.652,68.707 C151.2@134.652,69.225 ; v1(135.044,121.5) 135.021,121.477 v1@135.021,121.362 ; v1@135.049,121.472 135.021,121.444 v1@135.021,121.362 ; v1(135.15,49.2) J10.27@135.15,50.4 ; C155.2@135.507,69.225 135.507,68.707 v1(135.517,68.707) ; v1(135.569,73.575) 135.598,73.546 135.598,73.082 C131.2@135.63,73.05 ; C163.2@135.63,85.45 135.63,85.429 136.021,85.038 136.021,84.956 v1(136.049,84.928) ; C171.2@135.63,110.25 135.63,110.229 136.021,109.838 136.021,109.756 v1(136.049,109.728) ; v1(135.639,145.56) 135.647,145.553 135.647,144.957 D16.2@135.654,144.95 ; C134.2@136.387,83.75 136.387,83.771 136.971,84.355 v1(136.99,84.355) ; C160.2@136.387,96.171 136.947,96.731 137.015,96.731 v1(137.044,96.76) ; C140.2@136.387,108.571 136.974,109.158 v1(137.013,109.158) ; C169.2@136.387,120.95 136.387,120.971 136.565,121.149 136.595,121.149 137.015,121.57 137.015,121.621 v1(137.044,121.65) ; J10.21@136.65,50.4 136.65,49.775 137.119,49.306 137.119,49.231 v1(137.15,49.2) ; C213.2@136.957,140 136.972,139.985 136.972,139.477 v1(136.987,139.462) 136.994,139.455 136.994,138.956 R131.1@137,138.95 ; C152.2@137.307,71.1 137.307,71.079 137.411,70.975 137.634,70.975 137.809,70.8 v1(137.85,70.8) ; J7.1@138.1,145.9 v1(139.9,145.9) ; C120.2@138.598,82.446 138.619,82.446 138.723,82.55 138.723,82.938 138.769,82.984 v1(138.769,83.025) ; C124.2@138.844,94.85 v1(138.844,95.4) ; C125.2@138.844,107.35 v1(138.844,107.925) ; C117.2@138.936,70.889 138.941,70.889 139.4,70.43 v1(139.4,70.425) ; v1(139.019,75.45) C116.2@139.019,75.943 ; C118.2@140.219,74.714 140.24,74.714 140.44,74.915 140.44,75.196 v1(140.469,75.225) ; C115.2@140.294,79.768 140.294,79.775 v1(140.844,79.775) ; C114.2@140.296,78.018 140.3,78.021 140.815,78.021 v1(140.819,78.025) ; v1(140.323,62.692) 140.336,62.678 140.336,61.664 C240.2@140.35,61.65 ; J10.3@141.15,50.4 141.15,49.421 v1(141.382,49.189) 141.65,49.458 J10.1@141.65,50.4 ; v1(141.948,62.692) 141.949,62.691 141.949,61.651 C239.2@141.95,61.65 ; C214.2@146.457,135.1 146.471,135.113 146.471,135.665 v1(146.484,135.678) 146.492,135.686 146.492,136.242 R132.1@146.5,136.25 ; D15.2@146.5,138.243 146.521,138.222 147.078,138.222 v1(147.1,138.201) ; 123.675,51.625 124.125,51.625 ; v1(125.544,87.13) 125.544,87.65 v1(125.544,87.13) ; v1(125.544,99.53) U6.B1@125.544,100.05 v1(125.544,99.53) ; v1(125.544,111.93) U5.B1@125.544,112.45 v1(125.544,111.93) ; v1(127.144,87.13) 127.144,87.65 v1(127.144,87.13) ; v1(127.144,99.53) U6.D1@127.144,100.05 v1(127.144,99.53) ; v1(127.144,111.93) U5.D1@127.144,112.45 v1(127.144,111.93) ; U3.F9@128.744,94.05 v1(129.144,94.45) U3.F9@128.744,94.05 ; U6.F9@128.744,106.45 v1(129.144,106.85) U6.F9@128.744,106.45 ; U5.F9@128.744,118.85 v1(129.144,119.25) U5.F9@128.744,118.85